# Altium PCB DCDCv1.1.PcbDoc (part 3 of 5) (continued)
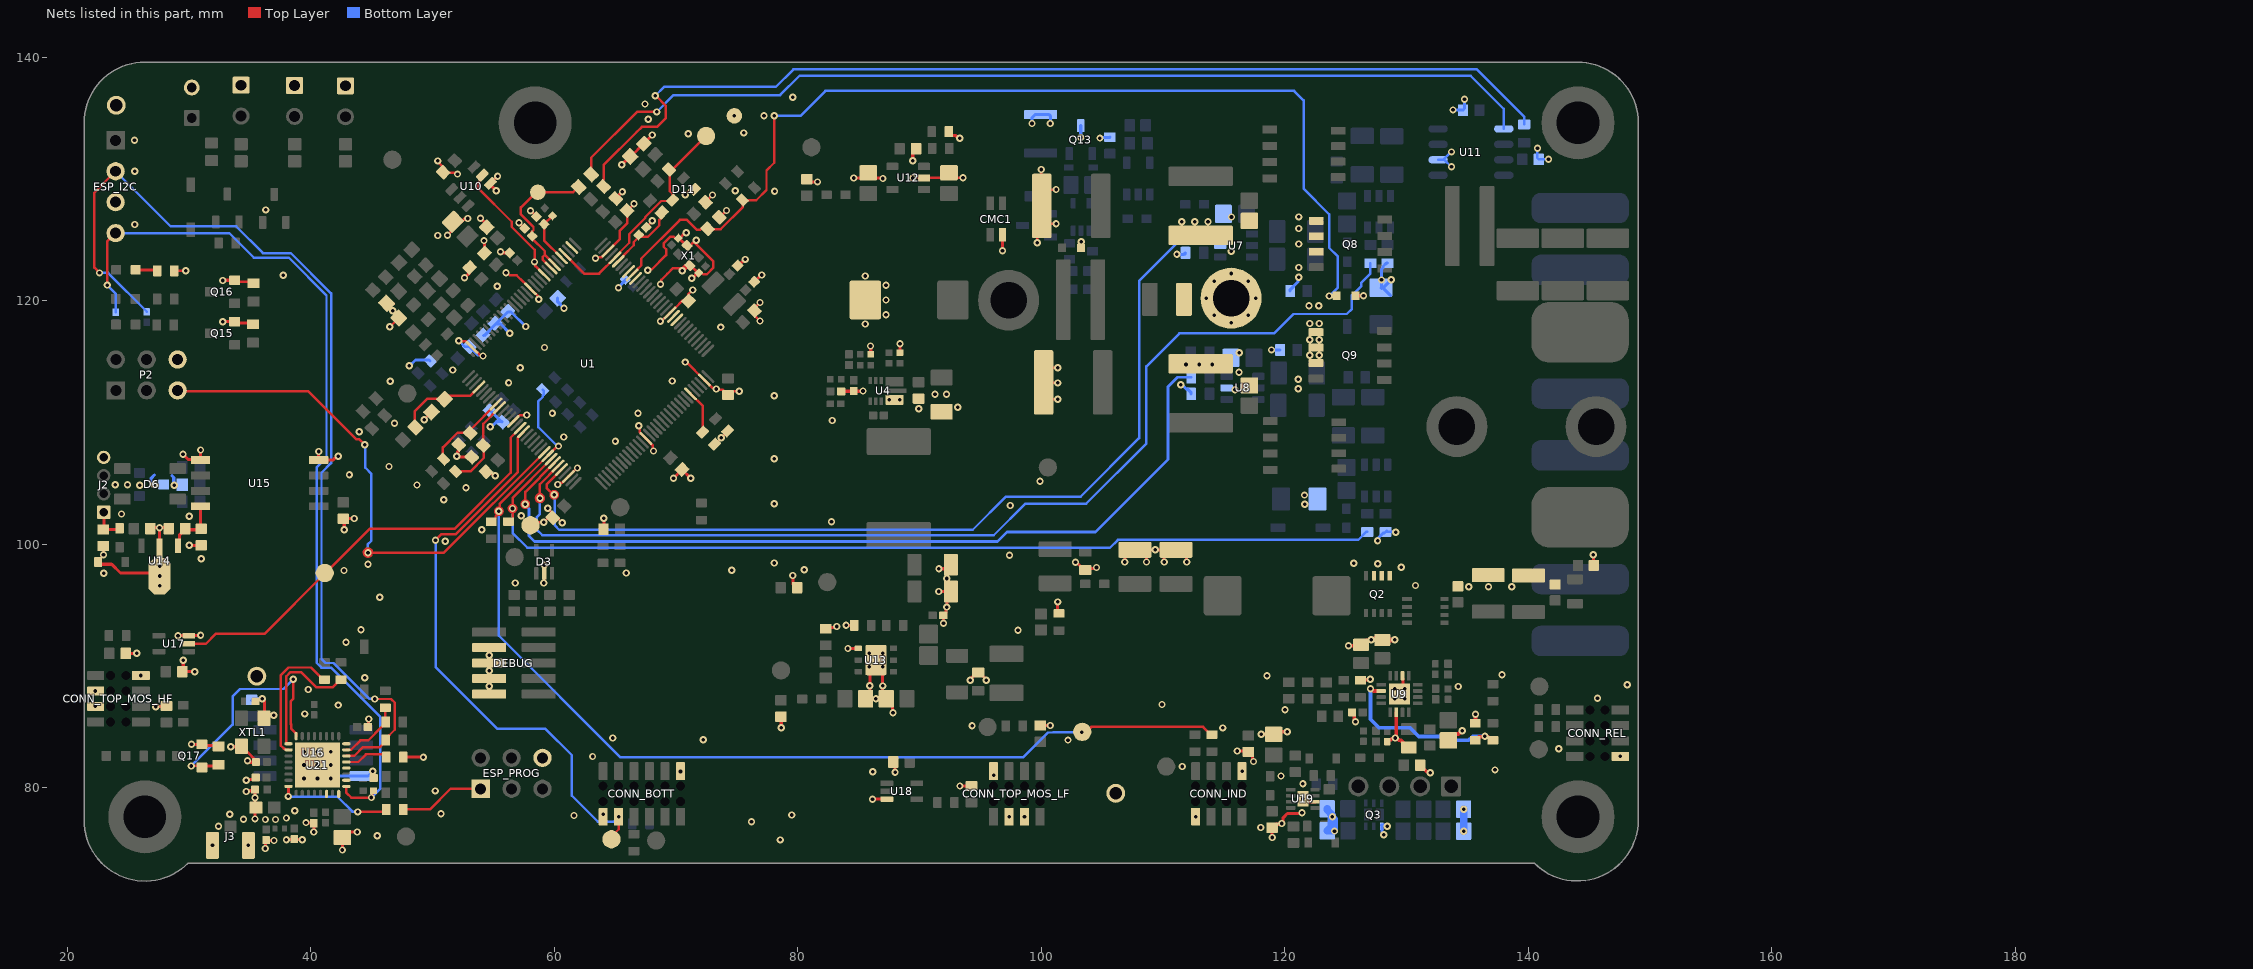
[diagram p5: the nets of this part, all layers, seen from the top]
## Part data (continued)
U17 U18: library part CMP-0859-00394-3, "Single 2-Input Positive-AND Gate, DCK0005A, SMALL T&R", F @ Nom Voltage(Max)(Mhz)=75, Generic Part Number=SN74AHC1G08, ICC @ Nom Voltage(Max)(mA)=0.01, Manufacturer="Texas Instruments", Operating Temperature Range(C)="-55 to 125", Rating=Catalog, tpd @ Nom Voltage(Max)(ns)=12.3,7.9, Voltage(Nom)(V)=3.3,5, 3-State Output=No, Bits(#)=1, DatasheetVersion=SCLS314N, Gate Type=AND, Input Type=CMOS, Logic=True, Output Drive (IOL/IOH)(Max)(mA)=50/-50, Output Type=CMOS, PackageReference=DCK0005A, Schmitt Trigger=No, Sub-Family="AND Gate", Technology Family=AHC, VCC(Max)(V)=5.5, VCC(Min)(V)=2
U19: "Integrated Circuit", Manufacturer_Name="ON Semiconductor", Mouser Part Number=863-NCP5901BMNTBG, Arrow Part Number=NCP5901BMNTBG, Arrow Price/Stock=https://www.arrow.com/en/products/ncp5901bmntbg/on-semiconductor, Datasheet Link=http://www.onsemi.com/pub/Collateral/NCP5901B-D.PDF, Height=1mm, Manufacturer_Part_Number=NCP5901BMNTBG, Mouser Price/Stock=https://www.mouser.co.uk/ProductDetail/ON-Semiconductor/NCP5901BMNTBG?qs=UikTwjRNStJje%252BaGWM%2F5BQ%3D%3D
U21: library part CMP-2000-07453-1, "Low-Power, Highly-Integrated Wi-Fi Solution, 2.5 to 3.6 V, 80 mA, -40 to 125 degC, 32-Pin QFN", Manufacturer="Espressif Systems", Package Description="32-Pin Quad Falt No-Lead, Body 5 x 5 mm, Pitch 0.5 mm", Package Reference=QFN-32, Datasheet URL=http://espressif.com/sites/default/files/documentation/0a-esp8266ex_datasheet_en.pdf, Datasheet Version="Rev. 5.4, 04/2017", Manufacturer URL=http://espressif.com, Mounting Technology=SurfaceMount
X1: library part CMP-2000-05728-1, "Ceramics Ultra Miniature Quartz Crystal, 24 MHz, +/- 20 ppm, -40 to 85 degC, 4-Pin SMD, RoHS, Tape and Reel", Case Height=0.59mm, Case Length=2mm, Case Width=1.6mm, Frequency=20MHz, Frequency Stability=20PPM, Load Capacitance=10pF, Manufacturer=ABRACON, Operating Temperature Range=-40Cto+85C, Package / Case=2mmx1.6mmx0.59mm, Package Description="4-Pin Surface Mount Device, Body 2 x 1.6 mm, Pitch 1.3 mm", Package Reference=ABM11, Brand=ABRACON, Datasheet URL=http://www.abracon.com/Resonators/ABM11.pdf, Datasheet Version=06/2015, Dimensions=1.6mmWx2mmLx0.59mmH, ESR=120Ohms, Factory Pack Quantity=3000, Manufacturer URL=http://www.abracon.com/, Mounting Style=SMD/SMT, Mounting Technology=SurfaceMount, Packaging=Reel, Product Category=Crystals, RoHS=Details, Series=ABM11, Termination Style=SMD/SMT, Tolerance=20PPM, Type=UltraMiniatureQuartzCrystal
XTL1: library part CMP-0614-00001-1, "Crystal Unit, 8 pF, 25000 kHz, -10 to 70 degC, 4-Pin 3.2 x 2.5 x 0.8 mm SMD, RoHS, Tape and Reel", Frequency="25000 kHz", Frequency Tolerance="+/- 20 x 10^(-6)", Load Capacitance="8 pF", Manufacturer=Kyocera, Operationg Temperature="-10 to 70 degC", PartNumber=CX3225GB25000D0HEQCC, ComponentLink1Description="Manufacturer URL", ComponentLink1URL=http://global.kyocera.com/, ComponentLink2Description=Datasheet, ComponentLink2URL=http://global.kyocera.com/prdct/electro/pdf/xtal/cx3225gb_cs_e.pdf, ComponentLink3Description="Package Specification", ComponentLink3URL=http://global.kyocera.com/prdct/electro/pdf/xtal/cx3225gb_cs_e.pdf, DatasheetVersion=Sep-13, Mounting Technology="Surface Mount", PackageDescription="4-Pin SMT, Body 3.2 x 2.5 mm, Height 0.9 mm", PackageReference=CX3225GB-4, PackageVersion=Sep-13, Packing="Tape and Reel", RoHS=TRUE, Series=CX3225GB
Y1: library part CMP-2000-07587-1, "Tuning Fork Crystal, 32.768 KHz, +/- 20 ppm, -40 to 85 degC, 2-Pin SMD, RoHS, Tape and Reel", Case\/Package=SMD/SMT, ESR (Equivalent Series Resistance)=55KOhm, Frequency=32.768KHz, Frequency Tolerance=20ppm, JLCPCB Part #=C32346, Load Capacitance=6pF, Manufacturer=Abracon, Max Operating Temperature=85degC, Min Operating Temperature=-40degC, Package Description="2-Pin Surface Mount Device, Body 3.2 x 1.5 mm", Package Quantity=3000, Package Reference=ABS07, Series Resistance=60KOhm, Datasheet URL=http://www.abracon.com/Resonators/ABS07-120-32.768kHz-T.pdf, Datasheet Version=11/2014, Depth=1.5mm, Height=0.035inch, Lead Free=LeadFree, Length=3.2mm, Manufacturer URL=http://www.abracon.com/, Mount=SurfaceMount, Mounting Technology=SurfaceMount, Number of Pins=2, Packaging=TapeandReel, Radiation Hardening=No, REACH SVHC=NoSVHC, RoHSCompliant=True, Termination=SMD/SMT, Tolerance=20ppm, Width=0.061inch
PV+: LatestRevisionDate=17-Jul-2002, LatestRevisionNote="Re-released for DXP Platform.", Publisher="Altium Limited", System=Connector
PV-: LatestRevisionDate=17-Jul-2002, LatestRevisionNote="Re-released for DXP Platform.", Publisher="Altium Limited"

## Free pads (board coordinates)
  round 6 hole 3.5: H2(58.425,134.625) H5(144.1,77.625) H5(144.1,134.625) H6(26.375,77.625)

## Via types
v1: diameter 0.6, hole 0.3, Top Layer to Bottom Layer, tented both sides, 563 vias
v2: diameter 0.6/0.6/0.6/0.6 (per signal layer), hole 0.3, Top Layer to Bottom Layer, tented both sides, 44 vias
v3: diameter 0.6, hole 0.3, Top Layer to Bottom Layer, 19 vias

## Nets (pads, with @x,y where several pads share a name; then routed paths per layer and width w, separated by ;. In a path a pad name is that pad's centre, name@x,y a point inside that pad or via, vN(x,y) a via of type N, cw(c..) or ccw(c..) an arc to the next point about the centre after c; other vN are vias at no path point)
ADC1_IN1: C67.2 R44.2 U1.27 | length 5.9
  Top Layer w0.2: U1.27@65.263,123.259 65.683,123.679 65.683,123.726 65.692,123.735 66.533,124.577 66.533,124.833 66.975,125.275 67.703,125.275 68.641,126.213 68.641,126.662 68.829,126.849 R44.2@68.829,127.273
ADC1_IN5: C68.2 R2.2 U1.68 | length 7.6
  Top Layer w0.2: R2.2@48.602,109.627 48.549,109.68 48.549,110.949 49.575,111.975 50.335,111.975 50.507,111.802 C68.2@50.852,111.802
  Top Layer w0.203: C68.2@50.852,111.802 50.921,111.802 51.318,112.2 53.072,112.2 U1.68@53.808,112.936
ADC1_IN8: U1.24
ADC2_IN5: C113.2 R81.2 U1.37 | length 4.3
  Top Layer w0.2: R81.2@59.854,126.989 59.171,126.307 C113.2@59.157,126.307 59.171,126.293 59.171,124.967 U1.37@60.596,123.542
ADC2_IN6: U1.22
ADC3_IN9: C127.2 R108.2 U1.74 | length 7.7
  Top Layer w0.2: C127.2@54.177,108.127 54.142,108.163 54.142,108.622 54.177,108.658 54.177,109.911 U1.74@55.505,111.239
  Top Layer w0.203: R108.2@51.895,106.079 R108.2@51.895,105.995 51.966,105.924 52.317,105.924 52.388,105.995 53.112,105.995 54.213,107.096 54.213,108.092 C127.2@54.177,108.127
BOOT0_STM32: R3.2 U1.123 | length 3.6
  Top Layer w0.2: U1.123@71.203,112.37 72.215,111.357 72.215,109.326 R3.2@72.145,109.255
COMP1_INP: C112.2 R80.2 TP12.1 U1.39 U1.40 | length 12.3
  Top Layer w0.203: TP12.1@58.21,128.633 57.255,127.679 57.255,127.113 58.296,126.072 58.296,125.801 58.171,125.676 58.171,125.349 C112.2@58.185,125.335 58.185,125.123 59.226,124.081 59.226,123.781 ; TP12.1@58.65,128.925 61.544,128.925 61.978,129.358 R80.2@62.01,129.358 ; U1.40@59.748,122.694 59.041,123.401 59.041,123.595 59.226,123.781 ; U1.39@60.03,122.977 59.226,123.781
COMP2_INP: D11.3 R43.1 TP17.1 U1.28 U1.36 | length 19.3
  Top Layer w0.178: U1.28@64.98,123.542 65.404,123.966 65.404,124.013 65.42,124.029 66.167,124.776 66.167,125.495 67.482,126.81 67.482,126.894 68.797,128.209 69.647,128.209 D11.3@69.718,128.28
  Top Layer w0.2: U1.36@60.879,123.825 62.459,122.245 63.683,122.245 U1.28@64.98,123.542 ; D11.3@69.789,128.351 69.789,128.704 69.488,129.005 69.488,130.737 R43.1@69.435,130.79 69.715,130.79 TP17.1@72.475,133.55
COMP3_INP: C84.2 NTC1.2 R145.1 U1.23 | length 84.4
  Top Layer w0.203: U1.23@66.394,122.128 66.813,122.547 66.813,122.575 67.15,122.912 67.15,123.478 70.322,126.65 70.9,126.65 71.698,125.852 71.999,125.852 72.105,125.958 72.492,125.958 72.562,125.887 73.665,125.887 75.49,127.713 75.49,128.26 75.5,128.27 76.593,128.27 77.436,129.113 77.436,130.711 78.075,131.35 v1(78.075,135.2)
  Top Layer w0.254: v1(123.675,120.4) 123.687,120.412 124.262,120.412 NTC1.2@124.275,120.425
  Bottom Layer w0.203: v1(78.075,135.2) 80.225,135.2 82.275,137.25 120.775,137.25 121.55,136.475 121.55,129.225 123.664,127.111 123.664,124.361 124.35,123.675 124.35,121.075 v1(123.675,120.4)
COMP6_PD11: C126.2 R107.2 U1.73 | length 7
  Top Layer w0.203: R107.2@50.92,106.995 50.849,107.066 50.849,107.966 52.071,109.188 53.067,109.188 C126.2@53.102,109.152 53.102,109.402 U1.73@55.222,111.521
DAC1_OUT1: R39.2 R63.1 | length 85.3
  Top Layer w0.203: R39.2@64.055,129.405 63.985,129.476 63.985,129.898 64.055,129.969 64.055,131.156 66.78,133.88 67.2,134.3 68.45,134.3 69.15,135 69.15,136.05 68.35,136.85 v1(68.3,136.85)
  Bottom Layer w0.203: v1(68.3,136.85) 69.025,137.575 78.2,137.575 79.65,139.025 135.8,139.025 139.675,135.15 R63.1@139.675,134.5
DAC1_OUT2: U1.34
EN: R19.1 R20.2 U9.10 | length 15.4
  Top Layer w0.3: v1(127.056,88.129) 127.137,88.129 127.307,87.959 U9.10@127.931,87.959 ; R20.2@135.656,83.909 135.939,84.193 136.393,84.193 v1(136.45,84.25) 136.507,84.193 136.722,84.193 137.006,83.909 R19.1@137.106,83.909
  Bottom Layer w0.3: v1(127.056,88.129) 127.056,85.634 127.765,84.925 130.325,84.925 131.025,84.225 133.725,84.225 134.036,83.914 135.108,83.914 135.444,84.25 v1(136.45,84.25)
ESP_ADC: U21.6
ESP_GPIO0: R61.1 R124.1 U21.15 | length 5.3
  Top Layer w0.203: U21.15@42.925,83.125 42.934,83.134 43.309,83.134 44.075,83.9 44.725,83.9 45.827,85.002 46.125,85.3 46.125,86.35 R124.1@46.25,86.475
ESP_GPIO2: ESP_I2C.2 R88.2 R123.1 U21.14 | length 81.4
  Top Layer w0.203: v1(22.65,122.3) 22.65,122.305 22.225,122.73 22.225,128.9 ESP_I2C.2@23.975,130.65 ; U21.14@42.925,82.625 43.575,82.625 44.3,83.35 45.675,83.35 46.15,83.825 46.15,84.025 46.9,84.775 46.9,87 46.6,87.3 v1(45.25,87.3)
  Bottom Layer w0.203: v1(22.65,122.3) 23.35,122.3 26.525,119.125 R88.2@26.525,119.1 ; ESP_I2C.2@23.975,130.65 28.5,126.125 33.875,126.125 36.069,123.931 38.358,123.931 41.674,120.614 41.674,120.176 ; 41.674,116.289 41.674,106.674 40.881,105.881 40.881,90.575 41.2,90.256 41.869,90.256 44.813,87.312 45.238,87.312 v1(45.25,87.3) ; 41.675,116.289 41.675,120.175
ESP_GPIO4: U21.16
ESP_GPIO5: Q17.1 R115.2 U21.24 | length 21.3
  Top Layer w0.203: v1(30.175,81.8) 31.163,81.8 31.175,81.788 32.288,81.788 32.3,81.8 R115.2@32.313,81.788 ; v1(38.573,88.927) 38.573,87.337 38.373,87.136 38.373,85.234 38.385,85.221 38.385,84.885 38.8,84.47 U21.24@38.8,84.25
  Top Layer w0.254: Q17.1@31.05,81.675 31.163,81.788 32.313,81.788 R115.2@32.425,81.9
  Bottom Layer w0.203: v1(30.175,81.8) 33.575,85.2 33.575,87.5 34.196,88.121 37.766,88.121 v1(38.573,88.927)
ESP_GPIO12: U21.10
ESP_GPIO13: U21.12
ESP_GPIO14: ESP_I2C.4 R82.1 R105.2 U21.9 | length 74.4
  Top Layer w0.203: v1(23.275,121.3) 23.275,124.87 ESP_I2C.4@23.975,125.57 ; U21.9@42.925,80.125 42.925,79.594 43.324,79.195 44.973,79.195 v1(44.982,79.204) 45.058,79.28 45.058,79.683 R82.1@45.15,79.775
  Bottom Layer w0.203: v1(23.275,121.3) 23.975,120.6 R105.2@23.975,119.075 ; ESP_I2C.4@23.975,125.57 33.305,125.57 35.325,123.55 38.2,123.55 41.293,120.457 41.293,107.118 40.475,106.3 40.475,90.275 40.875,89.875 41.675,89.875 45.7,85.85 45.7,79.922 v1(44.982,79.204)
ESP_GPIO15: R122.2 U21.13 | length 3.6
  Top Layer w0.203: U21.13@42.925,82.125 43.9,82.125 44.525,82.75 45.975,82.75 R122.2@46.2,82.525
ESP_GPIO16: U21.8 | length 0
  Top Layer w0.203: U21.8@42.3,79.5 U21.8@42.309,79.491
ESP_RST: R121.1 U21.32 | length 9.4
  Top Layer w0.203: v1(43.85,78.025) 45.95,78.025 R121.1@46.15,78.225
  Top Layer w0.254: v1(38.162,79.297) 38.169,79.303 38.169,80.123 38.171,80.125 U21.32@38.175,80.125
  Bottom Layer w0.203: v1(38.162,79.297) 38.204,79.255 42.22,79.255 43.426,78.049 43.826,78.049 v1(43.85,78.025)
ESP_RST_PROG: ESP_PROG.1 R121.2 | length 7
  Top Layer w0.203: R121.2@47.65,78.225 49.78,78.225 51.48,79.925 ESP_PROG.1@53.96,79.925
ESP_RXD: R120.1 U21.25 | length 11.1
  Top Layer w0.203: U21.25@38.175,83.625 38.013,83.625 37.992,83.647 37.992,89.165 38.333,89.507 39.206,89.507 40.463,88.25 41.8,88.25 42.4,88.85 R120.1@42.5,88.85
ESP_TXD: R119.1 U21.26 | length 10.8
  Top Layer w0.203: U21.26@38.175,83.125 37.942,83.125 37.847,83.221 37.787,83.221 37.551,83.457 37.551,89.263 38.175,89.888 40.024,89.888 40.763,89.148 40.777,89.148 40.9,89.025 R119.1@40.9,88.8
GND: C1.1 C2.1 C3.1 C5.1 C8.1 C9.1 C10.1 C10a.1 C11.1 C12.2 C13.2 C15.1 C16.1 C17.1 C19.1 C20.1 C23.1 C24.1 C25.1 C28.1 C30.1 C31.1 C32.1 C33.1 C35.2 C36.1 C37.1 C38.1 C39.1 C40.1 C42.1 C44.1 C45.1 C47.1 C48.1 C49.1 C50.1 C51.1 C52.1 C53.1 C54.1 C55.1 C56.1 C58.1 C59.1 C60.1 C61.1 C62.1 C63.1 C65.1 C66.1 C67.1 C68.1 C69.1 C70.1 C71.1 C72.1 C73.1 C74.1 C75.2 C77.1 C80.1 C81.1 C82.1 C83.1 C84.1 C85.1 C86.2 C87.1 C88.2 C89.1 C92.1 C93.1 C94.1 C95.1 C96.2 C98.1 C102.1 C103.1 C104.1 C105.1 C107.1 C108.1 C109.1 C110.1 C111.1 C112.1 C113.1 C114.1 C115.1 C116.1 C117.1 C118.2 C119.2 C120.1 C121.1 C122.1 C123.1 C125.1 C126.1 C127.1 C128.1 C129.1 C130.1 CMC1.4 CONN_BOTT.2 CONN_BOTT.11 CONN_IND.2 CONN_IND.7 CONN_REL.2 CONN_TOP_MOS_HF.3 CONN_TOP_MOS_HF.5 CONN_TOP_MOS_HF.8 CONN_TOP_MOS_LF.3 CONN_TOP_MOS_LF.5 CONN_TOP_MOS_LF.8 D0.1 D3.2 D11.1 DEBUG.3 DEBUG.5 DEBUG.7 DEBUG.9 ESP_I2C.3 ESP_PROG.6 J3.2 J3.3 NTC1.1 NTC2.1 NTC3.1 NTC4.1 NTC5.1 P2.6 PV-.1 Q2.1 Q2.2 Q2.3 Q3.4 Q8.1 Q8.2 Q8.3 Q9.1 Q9.2 Q9.3 Q13.3 Q15.2 Q16.2 Q17.2 R3.1 R9.1 R15.1 R16.1 R17.1 R18.1 R20.1 R22.1 R24.1 R30.1 R31.1 R54.1 R56.1 R65.1 R67.1 R68.1 R72.1 R74.1 R77.1 R79.1 R90.1 R92.1 R103.1 R104.1 R115.1 R122.1 R132.1 R155.1 R156.1 R157.2 TP11.1 TP13.1 TP24.1 TP25.1 TP26.1 U1.12 U1.30 U1.42 U1.46 U1.63 U1.78 U1.94 U1.110 U1.127 U4.8 U7.2 U8.2 U9.6 U9.14 U9.17 U10.1 U10.2 U11.2 U12.2 U13.1 U13.7 U15.4 U16.4 U17.3 U18.3 U19.6 U19.9 U21.33 X1.2 X1.4 XTL1.2 XTL1.4 | length 284.3
  Top Layer w0.2: DEBUG.7@54.655,88.98 DEBUG.7@55.68,88.98 ; DEBUG.5@54.655,90.25 DEBUG.5@55.68,90.25 ; v1(67.672,122.528) 67.749,122.605 68.031,122.605 69.193,123.766 69.193,124.243 68.984,124.452 68.984,124.716 69.523,125.255 69.818,125.255 69.938,125.136 70.178,125.136 C63.1@70.192,125.15 ; v1(68.73,121.381) 68.806,121.458 68.806,121.739 69.281,122.214 69.281,122.215 69.756,122.69 70.526,122.69 70.783,122.947 71.101,122.947 X1.4@71.136,122.912 ; 71.363,124.757 71.558,124.757 73.077,123.238 73.077,122.734 72.537,122.195 72.242,122.195 72.123,122.314 71.812,122.314 C59.1@71.803,122.305
  Top Layer w0.203: R157.2@28.825,122.475 v1(29.725,122.475) ; Q16.2@33.748,121.698 33.872,121.574 35.176,121.574 R156.1@35.3,121.45 ; v1@46.5,117.875 v1(46.5,117.877) C35.2@47.224,118.601 47.224,118.706 46.23,119.7 R56.1@46.23,119.805 46.265,119.77 R56.1@46.829,119.77 ; v1(49.323,110.248) C68.1@50.124,111.049 ; v1(50.425,131.5) 50.425,131.444 50.873,130.996 C66.1@50.873,130.573 50.908,130.537 51.832,130.537 51.95,130.419 v1(52.058,130.419) ; v1(51.235,125.385) 51.235,125.42 51.674,125.858 C85.1@51.674,126.501 ; v1(52.164,116.739) 52.216,116.688 52.736,116.688 53.235,116.188 U1.63@53.242,116.188 53.249,116.188 53.887,115.551 54.074,115.551 v1(54.15,115.475) ; U10.2@54.091,130.331 54.091,130.05 53.737,129.696 53.737,129.278 56.513,126.503 56.513,126.079 58.4,124.191 58.4,123.225 v1(58.379,123.203) ; v1(56.035,122.305) 56.143,122.305 56.341,122.106 56.914,122.106 57.476,121.545 57.496,121.545 58.044,120.997 U1.46@58.051,120.997 58.051,120.99 58.652,120.388 58.652,120.224 v1(58.728,120.148) ; U1.78@56.636,110.107 56.643,110.107 57.163,110.627 v1(57.746,110.627) ; TP11.1@58.05,101.8 58.063,101.813 59.117,101.813 v1(59.129,101.825) 59.527,102.223 C47.1@59.823,102.223 ; v1(58.051,127.414) C113.1@58.535,126.929 ; v1@58.4,123.25 58.455,123.195 58.455,122.855 U1.42@59.182,122.128 ; v1(59.15,96.825) 59.163,96.837 59.163,97.612 D3.2@59.175,97.625 ; v1(59.475,102.975) 59.475,102.969 59.823,102.621 C47.1@59.823,102.223 ; v1(60.276,104.916) 60.384,104.916 60.518,105.05 60.623,105.05 61.155,105.582 61.169,105.582 61.865,106.278 v1(61.904,106.278) ; v1(60.647,101.78) 60.204,102.223 C47.1@59.823,102.223 ; v1(63.396,123.51) 63.472,123.586 63.886,123.586 64.408,124.108 U1.30@64.415,124.108 65.4,125.093 65.4,125.783 66.013,126.396 66.013,127.392 C107.1@65.977,127.427 ; C107.1@66.017,127.557 66.132,127.557 v1(66.55,127.975) ; v1(66.952,109.744) 67.026,109.669 67.026,109.2 67.526,108.7 67.526,108.686 68.074,108.138 68.074,107.751 v1(68.15,107.675) ; C67.1@67.561,126.036 67.561,126.071 v1(68.063,126.574) ; v1(68.721,118.326) 68.808,118.326 69.499,119.017 U1.12@69.506,119.017 69.925,119.436 69.947,119.436 70.509,119.998 C45.1@71.027,119.998 71.027,120.552 v1(71.375,120.9) ; v1(70.75,114.975) 70.854,114.975 72.327,113.501 U1.127@72.334,113.501 72.989,112.847 73.243,112.847 v1(73.319,112.771) ; v1(70.761,128.722) 71.203,129.164 D11.1@71.521,129.164 ; C80.1@72.48,128.155 72.48,128.18 v1(73,128.7) ; R3.1@73.205,108.195 R3.1@73.205,108.243 ; v1@73.275,112.8 73.377,112.698 73.852,112.698 C32.1@74.275,112.275 74.575,112.575 v1(75.196,112.575) ; C84.1@73.605,126.93 73.655,126.93 v1(74.15,127.425) ; R77.1@74.245,109.33 74.245,109.282 v1(73.725,108.762) ; v1(76.9,118.35) 76.452,118.798 76.452,119.427 v1(76.9,119.875) ; v1(89.45,130.1) U12.2@90.375,130.1 92,130.1 C44.1@92.425,130.525 92.825,130.125 v1(93.575,130.125) ; v2(99.675,124.775) 99.675,127.425 C10a.1@100.05,127.8 ; v2(100,130.797) 100,127.85 C10a.1@100.05,127.8 ; v2(101.225,126.35) 100.747,126.35 100.05,127.047 C10a.1@100.05,127.8 ; v2(101.225,129.15) 100.747,129.15 100.05,128.453 C10a.1@100.05,127.8 ; v2(101.359,111.914) 100.897,111.914 100.2,112.611 C25.1@100.2,113.3 ; v2(101.359,113.264) 100.236,113.264 C25.1@100.2,113.3 ; v2(101.359,114.514) 100.897,114.514 100.2,113.817 C25.1@100.2,113.3 ; R3.1@73.205,108.243 v1(73.725,108.762) ; R3.1@73.205,108.243 v1(73.725,108.762)
  Top Layer w0.254: C53.1@24.8,91.05 v1(25.7,91.05) v1@25.725,91.025 ; v1(27.275,86.675) 27.3,86.7 28.125,86.7 C93.1@28.15,86.725 ; v1(29.1,92.5) U17.3@29.975,92.5 29.988,92.512 30.937,92.512 v1(30.95,92.525) ; v1(29.525,90.475) 29.525,89.55 v1(30.475,89.55) ; v1(30.2,83.575) Q17.2@31.05,83.575 31.137,83.488 32.337,83.488 R115.1@32.425,83.4 ; v1@32.75,118.275 v1(32.773,118.298) Q15.2@33.748,118.298 33.861,118.185 33.862,118.186 35.139,118.186 R155.1@35.25,118.075 ; v1(32.775,121.675) 32.798,121.698 Q16.2@33.748,121.698 ; v1(33.425,83.375) 34.25,83.375 XTL1.4@34.3,83.425 ; XTL1.4@34.35,83.375 34.823,82.902 34.839,82.902 35.405,82.336 35.405,82.23 C118.2@35.51,82.125 35.49,82.105 34.99,82.105 34.866,82.229 v1(34.802,82.229) ; v1(34.7,79.7) 34.766,79.766 35.341,79.766 R103.1@35.425,79.85 ; v1(34.7,80.625) 34.766,80.691 35.326,80.691 C121.1@35.485,80.85 ; R103.1@35.383,79.808 35.425,79.766 v1(35.425,79.2) 35.425,78.45 C120.1@35.5,78.375 35.425,78.3 v1(35.425,77.45) ; C119.2@35.465,87.1 35.624,87.259 35.959,87.259 v1(36.025,87.325) 36.025,87.299 36.197,87.128 XTL1.2@36.197,85.728 ; XTL1.2@36.15,85.725 36.4,85.975 v1(36.95,85.975) ; v1(36.25,75.025) 36.288,75.062 36.288,75.673 C116.1@36.325,75.71 36.342,75.693 36.958,75.693 v1(36.975,75.675) ; v1@37.075,77.422 v1(37.1,77.397) ; v1(38,75.75) v1(39.3,75.75) ; v1(39.603,77.147) 39.634,77.116 40.219,77.116 C117.1@40.25,77.085 v1(40.25,76.375) ; v1(40.65,107.625) 40.65,106.947 U15.4@40.643,106.939 41.85,106.939 42.16,107.25 v1(42.254,107.25) ; v1(42.6,74.9) C92.1@42.6,75.925 43.05,76.375 v1(43.825,76.375) ; v1(42.75,101.2) 42.75,102.025 C87.1@42.675,102.1 42.7,102.125 v1(43.575,102.125) ; C122.1@44.69,85 44.733,85.042 44.733,85.615 v1(44.775,85.658) ; C123.1@45.15,80.94 C123.1@45.165,80.925 ; R122.1@47.6,82.525 v1(49.254,82.525) ; C85.1@51.674,126.501 52.378,126.501 52.586,126.709 52.834,126.709 v1(52.9,126.775) ; C126.1@52.148,108.198 52.183,108.162 52.183,107.741 52.071,107.628 52.071,107.25 52.148,107.173 52.731,107.173 52.766,107.208 53.187,107.208 C127.1@53.223,107.173 ; v1(52.625,121.9) 53.048,122.323 C109.1@53.048,122.747 ; v1(53.947,126.797) 54.409,126.335 C65.1@54.409,126.088 ; v1(54.232,124.957) 54.268,124.921 C108.1@54.268,123.931 ; C104.1@54.398,105.973 54.709,105.973 55.055,105.626 v1(55.149,105.626) ; v1(54.65,89.625) 54.65,90.245 DEBUG.5@54.655,90.25 ; DEBUG.9@54.655,87.71 DEBUG.7@54.655,88.98 DEBUG.5@54.655,90.25 ; DEBUG.3@54.9,91.275 DEBUG.3@54.655,91.52 DEBUG.5@54.655,90.25 ; v1(55.24,129.04) 54.78,129.5 54.78,129.676 v1(55.346,130.242) ; v1(55.581,124.04) 55.675,124.04 55.759,123.956 56.329,123.956 C62.1@56.343,123.942 ; v1@57.1,126.45 v1(57.1,126.42) C112.1@57.563,125.957 ; C95.1@64.05,101.25 64.075,101.275 v1@64.075,102.275 ; R68.1@65.498,128.362 65.471,128.376 R68.1@65.055,128.405 65.055,128.43 v1(65.6,128.975) ; v1(65.542,131.175) C28.1@66.235,131.868 66.306,131.868 R30.1@67.367,132.929 67.367,132.942 v1(68.05,133.625) ; v1(69.798,105.445) 70.5,106.148 C48.1@70.5,106.15 v1(71.225,105.425) ; C63.1@70.192,125.15 70.206,125.164 70.206,125.171 C63.1@70.231,125.171 ; v1(70.525,122.475) 70.612,122.475 71.049,122.912 X1.4@71.136,122.912 71.196,122.912 C59.1@71.803,122.305 ; v1(70.85,125.6) 70.756,125.6 70.328,125.171 C63.1@70.231,125.171 ; X1.2@70.899,124.563 70.839,124.563 C63.1@70.231,125.171 ; X1.2@70.924,124.538 71.145,124.538 71.363,124.757 71.581,124.975 v1(71.675,124.975) ; v1(71.291,121.863) 71.361,121.863 71.798,122.3 71.808,122.3 C59.1@71.868,122.3 ; C77.1@75.071,122.896 75.128,122.896 75.641,123.41 v1(75.698,123.41) ; C74.1@76.421,121.571 76.454,121.571 77.009,122.126 v1(77.042,122.126) ; C73.1@78.625,85.85 78.65,85.825 v1(78.65,84.95) ; v1(79.6,97.45) 79.6,96.75 C105.1@79.9,96.45 ; C69.1@80.75,130 80.975,129.775 v1(81.625,129.775) ; R74.1@82.3,93.075 82.409,93.184 83.134,93.184 v1(83.2,93.25) ; C17.1@83.574,112.569 83.587,112.582 85.347,112.582 v1(85.359,112.594) ; v1(83.975,93.35) R67.1@84.65,93.35 ; v1(84.125,91.45) U13.1@84.975,91.45 ; v1(84.6,130.1) 84.61,130.11 85.385,130.11 C50.1@85.8,130.525 86.24,130.085 86.965,130.085 v1(87,130.05) ; v1@85.997,116.282 85.997,115.632 R18.1@86.009,115.619 ; v1(86.15,79.075) U18.3@87.325,79.075 ; U13.7@86.425,90.5 85.925,90 85.925,87.675 C72.1@85.575,87.325 v1(86.425,87.325) C71.1@87.275,87.325 ; v3(86.975,89.95) 86.975,87.625 C71.1@87.275,87.325 ; C52.1@87.775,82.125 88,81.9 v1(88,81.275) ; v1(87.825,86.175) 87.773,86.227 87.773,86.578 87.773,86.827 C71.1@87.275,87.325 ; R15.1@88.4,115.75 v1(88.4,116.475) ; v1(89.45,131.525) 89.45,132.225 C70.1@89.725,132.5 ; v1(91.575,96.125) C8.1@92.6,96.125 ; v1(91.6,97.996) C15.1@92.296,97.996 ; v1(91.975,93.525) 91.97,93.53 91.97,94.17 C129.1@91.965,94.175 91.985,94.175 92.178,94.368 92.178,94.684 92.25,94.756 92.25,95.775 C8.1@92.6,96.125 ; C15.1@92.25,97.95 92.25,96.475 C8.1@92.6,96.125 ; R72.1@92.425,133.9 92.425,133.8 92.648,133.577 92.979,133.577 93.206,133.35 v1(93.3,133.35) ; v1(93.325,80.15) C54.1@94.275,80.15 ; v1(94.175,88.85) 94.175,88.925 94.725,89.475 R54.1@94.825,89.475 94.925,89.475 95.5,88.9 v1(95.5,88.85) ; v2(96.825,124.125) CMC1.4@96.825,125.425 ; C94.1@99.925,85.125 v1@100.775,85.125 ; v1(101.35,95.275) 101.35,94.425 R79.1@101.45,94.325 ; v1@102.75,98.525 102.9,98.525 103.525,97.9 R104.1@103.625,97.9 103.759,98.034 104.484,98.034 v1(104.55,98.1) ; NTC2.1@103.275,124.35 103.286,124.361 103.286,124.861 v2(103.297,124.872) ; v1(106.875,98.55) 106.875,99.027 107.398,99.55 C55.1@107.7,99.55 C55.1@108.127,99.55 ; v1(108.65,98.55) 108.65,99.027 C55.1@108.127,99.55 ; v1(110.1,98.55) 110.1,99.027 C56.1@110.623,99.55 ; v1(111.95,98.55) 111.95,99.027 111.427,99.55 C56.1@111.075,99.55 C56.1@110.623,99.55 ; v1(116.1,83.025) 117,83.025 C98.1@117.025,83 ; v1@117.373,82.227 C98.1@117.373,82.652 ; v1(118.081,84.403) 118.903,84.403 119.112,84.613 120.213,84.613 v1(120.225,84.6) ; v1(118.975,75.925) C102.1@118.975,76.775 ; C102.1@119.05,76.775 119.284,77.009 119.684,77.009 v1(119.75,77.075) 119.75,77.169 119.88,77.299 119.88,77.553 120.222,77.895 121.37,77.895 v1(121.425,77.95) ; v1(121.5,79.1) U19.9@121.75,78.85 ; v1(125.243,91.672) 126.218,91.672 126.679,92.132 126.976,92.132 126.978,92.134 127.981,92.134 127.754,92.361 127.433,92.361 127.297,92.225 127.172,92.225 v1(127.106,92.159) ; R9.1@126.231,88.834 126.278,88.882 126.975,88.882 v1(127.022,88.929) ; U9.6@129.706,88.959 129.706,88.284 v1(129.856,88.134) ; C42.1@131.125,81.875 131.684,81.316 131.884,81.316 v1(131.95,81.25) ; v1(145.35,99.15) 145.375,99.125 145.375,98.3 C128.1@145.4,98.275 ; C55.1@108.127,99.55 C56.1@110.623,99.55
  Top Layer w0.3: U19.9@121.75,78.85 U19.6@122.5,78.85 ; C58.1@125.535,86.2 125.555,86.2 125.725,86.03 125.725,85.601 125.825,85.501 v1(125.825,85.42) ; NTC1.1@125.825,120.425 125.827,120.423 126.47,120.423 v2(126.472,120.422) ; R65.1@128.425,83.8 128.425,83.825 128.55,83.95 128.706,83.95 128.726,83.969 128.763,83.969 128.836,84.042 129.031,84.042 v1(129.088,84.1) 129.169,84.1 129.319,83.95 129.387,83.95 129.44,83.897 129.553,83.897 130.141,83.309 C40.1@130.206,83.309 ; v1(129.031,87.309) U9.17@129.181,87.159 ; v1@129.181,84.274 U9.14@129.181,86.209 ; C1.1@133.8,84.325 133.9,84.425 134.274,84.425 134.549,84.7 v1(134.6,84.7) ; R20.1@135.656,85.309 135.681,85.334 v1(135.681,86.059)
  Top Layer w0.4: C39.1@127.981,92.134 127.993,92.147 129.043,92.147 v1(129.056,92.159)
  Bottom Layer w0.2: R90.1@111.85,123.828 R90.1@111.85,123.95 ; R24.1@128.216,100.947 R24.1@128.291,101.022 ; R24.1@128.391,101.122 R24.1@128.291,101.022 ; v2@129.1,101 129.078,101.022 R24.1@128.291,101.022
  Bottom Layer w0.203: v1(52.164,116.739) 52.676,116.227 C31.1@53.027,116.227 53.704,115.551 54.074,115.551 v1(54.15,115.475) ; U11.2@132.6,131.59 U11.2@133.015,131.59 ; v2(133.7,131.025) 133.682,131.025 133.118,131.59 U11.2@133.015,131.59 ; v2@133.75,132.325 U11.2@133.015,131.59 ; v2@140.75,132.55 140.75,131.75 C111.1@140.875,131.625 v2@141.675,131.625
  Bottom Layer w0.254: C114.1@35.15,87.175 35.3,87.325 v1(36.025,87.325) ; v3(41.65,80.775) 41.845,80.97 44.7,80.97 45.096,81.366 v1(45.104,81.366) ; v1(48.094,114.681) 48.138,114.681 48.597,115.141 49.724,115.141 R132.1@49.795,115.07 ; C81.1@54.205,117.145 54.243,117.145 C82.1@55.218,118.12 ; C89.1@54.723,110.973 54.76,110.973 55.625,110.108 C130.1@55.625,110.083 ; v1(54.755,109.672) 54.821,109.738 54.921,109.738 55.266,110.083 C130.1@55.625,110.083 ; C82.1@55.18,118.12 C82.1@55.218,118.12 ; C130.1@55.723,110.048 55.687,110.083 C130.1@55.625,110.083 ; v1(56.35,117.35) 55.58,118.12 C82.1@55.218,118.12 ; v1(57.65,117.896) 56.451,119.095 56.193,119.095 C82.1@55.218,118.12 ; C49.1@60.28,120.23 60.28,119.92 v1(60.8,119.4) ; v1(65.275,121.075) 65.275,121.136 65.839,121.7 C3.1@65.839,121.761 ; v1(99.25,134.575) 99.25,135.052 99.498,135.3 100.652,135.3 100.75,135.202 v1(100.75,134.575) ; v1(103.25,133.425) Q13.3@103.25,134.4 ; v1(104.825,133.375) 104.863,133.413 105.612,133.413 R31.1@105.65,133.45 ; v2(111.15,123.825) 111.725,123.825 R90.1@111.85,123.95 ; v2(111.467,113.12) 111.56,113.12 111.938,112.742 112.047,112.742 112.32,112.469 R92.1@112.32,112.369 ; v1(118.925,115.975) R17.1@119.625,115.975 ; R16.1@120.45,120.825 120.45,120.925 121.084,121.559 121.084,121.884 v1(121.15,121.95) ; v2@127.604,100.295 127.671,100.362 127.671,100.502 128.116,100.947 R24.1@128.216,100.947 ; C20.1@127.9,121.075 128.061,121.075 C20.1@128.684,120.452 ; C20.1@127.95,121.025 v2(127.95,121.725) 127.95,122.6 128.077,122.727 128.077,122.827 128.35,123.1 R22.1@128.45,123.1 ; C20.1@127.98,121.155 128.18,121.155 C20.1@128.723,121.698 ; v1@128.15,76.225 127.998,76.377 127.998,76.907 127.975,76.93 128.44,76.93 v1@128.445,76.925 ; v2(128.75,121.75) C20.1@128.75,121.772 ; v2@133.775,135.625 133.825,135.675 C110.1@134.65,135.675 134.775,135.8 v2@134.775,136.575
  Bottom Layer w0.6: C12.2@123.491,78.279 123.491,78.179 123.923,77.747 v1(123.923,77.622) ; v1(134.7,78.25) 134.704,78.246 134.704,76.45 v1(134.708,76.446) ; v1(123.923,77.622) 123.825,77.524 123.825,76.8 C13.2@123.5,76.475 123.525,76.45 v1(124.097,76.45) 124.097,77.448 v1(123.923,77.622)
  other v1: 31.925,75.275 34.875,75.275 78.575,75.725 45.45,76.075 128.15,76.15 118.025,76.75 32.422,76.85 128.44,76.855 76.2,77.225 36.275,77.398 34.475,77.425 38,77.525 97.365,77.63 98.635,77.63 112.695,77.63 61.625,77.725 79.5,77.775 33.35,77.825 64.025,77.825 50.7,77.875 38.695,78.119 50.225,79.75 121.5,80.35 119.7,80.975 96.1,81.046 86.175,81.325 70.375,81.35 116.505,81.37 137.275,81.475 111.6,81.75 117.437,82.164 63.15,82.575 147.57,82.595 142.525,83.225 102.2,83.925 72.25,83.95 64.8,84.1 114.925,84.925 94.325,85.1 100.75,85.125 39.5,86.075 120.025,86.425 22.305,86.69 42.25,86.8 109.925,86.85 129.856,87.309 145.7,87.35 22.305,87.96 39.8,88.075 129.031,88.134 134.25,88.325 54.65,88.35 86.975,88.375 85.925,88.4 148.15,88.475 44.425,89.05 118.55,89.2 26.045,89.23 137.85,89.3 54.65,90.9 42.9,91.95 98.1,92.95 44.125,93 92.25,94.85 45.675,95.65 135.125,96.525 136.75,96.525 138.65,96.525 130.75,96.625 56.8,96.825 92.25,97.2 65.925,97.65 42.725,97.85 74.575,97.875 80.55,97.925 129.581,98.13 59.175,98.3 44.7,98.375 127.65,98.4 125.675,98.45 78.075,98.475 102.825,98.525 97.4,99.1 109.375,99.55 51.05,100.25 54.05,101.2 82.775,101.85 64.075,102.15 57.3,102.35 97.45,103.2 121.65,103.3 78.075,103.35 50.925,103.675 121.625,104.05 52.75,104.65 48.725,104.875 99.9,105.175 43.175,105.725 46.425,106.4 78.075,107.025 52.004,107.235 65.025,108.475 60.775,108.825 43.975,109.25 46.875,109.95 82.85,110.175 59.85,110.775 66.875,110.775 89.95,111.15 93.15,111.275 87.525,111.875 88.375,111.875 78.075,112.2 91.275,112.325 92.225,112.325 121.125,112.775 56.25,113.275 46.525,113.4 69.7,113.425 121.125,113.575 51.675,114.325 57.2,114.5 59.2,116.175 85.984,116.294 73.675,117.85 85.55,118.1 115.61,118.197 114.203,118.828 116.997,118.828 87.25,118.875 46.727,119.203 87.25,120.075 113.568,120.225 117.632,120.225 55.325,121.2 87.25,121.275 114.203,121.622 116.997,121.622 85.55,122.05 37.75,122.1 115.6,122.257 121.15,122.75 50.425,125.375 25.55,126.275 36.3,127.475 78.1,129 74.875,129.05 25.55,130.65 25.525,133.2 71,133.725 75.575,133.8 67.725,134.925 74.8,135.2 77.225,135.2 67.45,136.175 79.6,136.725
  other v2: 127.634,100.297 129.134,100.997 115.925,112.7 116.25,114.15 111.9,114.775 112.975,114.775 114.05,114.775 122.05,115.525 122.85,115.525 116.277,115.734 122.05,116.8 122.85,116.8 122.05,118.15 122.85,118.15 122,119.6 122.8,119.6 115.626,124.075 121.15,124.675 121.15,125.95 111.55,126.5 112.625,126.5 113.7,126.5 115.632,126.89 121.15,126.9 141.677,131.641 133.702,132.241 140.777,132.541 133.827,135.691 134.777,136.566
  other v3: 39.45,80.775 40.55,80.775 39.45,81.875 40.55,81.875 41.65,81.875 39.45,82.975 40.55,82.975 41.65,82.975 85.875,89.95 85.875,91.05 86.975,91.05
HRTIM1_CHA1: R14.1 R95.1 U1.89 | length 81.2
  Top Layer w0.203: R95.1@56.59,102.123 56.59,102.674 56.59,102.935 v3(56.575,102.95) 56.575,103.226 56.575,103.823 U1.89@59.748,106.996
  Top Layer w0.254: v3@56.575,103.226 ccw(c56.575,102.95) 56.59,102.674 ccw(c56.575,102.95) 56.851,102.95 ccw(c56.575,102.95) v3@56.575,103.226
  Bottom Layer w0.203: v3(56.575,102.95) 56.575,100.95 57.8,99.725 105.65,99.725 106.3,100.375 126.044,100.375 126.691,101.022 R14.1@126.791,101.022
HRTIM1_CHA2: R55.1 U1.90 | length 72.5
  Top Layer w0.203: v3(57.625,103.3) 57.625,103.575 57.625,104.308 U1.90@60.03,106.713
  Top Layer w0.254: v3@57.625,103.575 ccw(c57.625,103.3) 57.9,103.3 ccw(c57.625,103.3) v3@57.625,103.575
  Bottom Layer w0.229: v3(57.625,103.3) 57.625,103.23 57.925,102.93 57.925,100.7 58.394,100.231 96.406,100.231 97.192,101.017 104.467,101.017 110.425,106.975 110.425,112.95 111.2,113.725 R55.1@112.32,113.725
HRTIM1_CHB1: R49.1 U1.91 | length 90.8
  Top Layer w0.203: v3(58.825,103.8) 58.825,104.1 58.825,104.942 U1.91@60.313,106.43
  Top Layer w0.254: 58.825,104.1 ccw(c58.825,103.8) 59.125,103.8 ccw(c58.825,103.8) 58.825,104.1
  Bottom Layer w0.203: v3(58.825,103.8) 58.825,102.496 58.55,102.221 58.55,101.225 59.025,100.75 96.1,100.75 98.7,103.35 103.7,103.35 108.65,108.3 108.65,114.625 111.35,117.325 119.125,117.325 120.725,118.925 125.1,118.925 125.525,119.35 125.525,120.45 126.3,121.225 126.3,121.504 127.05,122.254 R49.1@127.05,123.1
HRTIM1_CHB2: R51.1 U1.92 | length 76.7
  Top Layer w0.203: v3(60,104.075) 59.925,104.075 59.4,104.6 59.4,104.951 U1.92@60.596,106.147
  Top Layer w0.254: v3@60.275,104.075 ccw(c60,104.075) v3@60.275,104.075
  Bottom Layer w0.203: v3(60,104.075) 60.054,104.021 60.054,101.553 60.407,101.2 94.375,101.2 97.1,103.925 103.25,103.925 108.05,108.725 108.05,121.625 111.825,125.4 R51.1@111.825,125.5
HRTIM1_CHE1: P2.5 U1.87 | length 46.4
  Top Layer w0.203: P2.5@29.109,112.575 39.8,112.575 43.725,108.65 43.975,108.65 v1(44.433,108.192) ; v3(44.7,99.325) 44.7,99.4 v3@44.775,99.325 ; 44.956,99.144 v3@44.775,99.325 ; U1.87@59.182,107.562 50.945,99.325 v3@44.775,99.325
  Top Layer w0.254: 44.956,99.144 cw(c44.7,99.325) 45.014,99.325
  Bottom Layer w0.203: v1(44.433,108.192) 44.483,108.142 44.483,106.292 44.977,105.798 44.977,100.299 44.7,100.022 v3(44.7,99.325)
HRTIM1_CHE2: R83.1 R117.2 R130.1 TP31.1 U1.88 | length 90.6
  Top Layer w0.2: R83.1@54.825,101.875 54.925,101.875 55.175,102.125 55.175,102.3 v3@55.525,102.65 ; v3@55.525,102.459 v3@55.525,102.65 ; v1(60.347,108.075) 60.269,108.075 59.473,107.279 U1.88@59.465,107.279 55.511,103.325 55.511,102.994 55.511,102.786 v3(55.45,102.725) v3@55.525,102.65 ; v1(103.325,84.575) 103.702,84.575 104.13,85.003 113.297,85.003 113.925,84.375 R117.2@114.025,84.375 R117.2@114.125,84.375
  Top Layer w0.254: v3@55.345,102.47 cw(c55.45,102.725) 55.511,102.994 cw(c55.45,102.725) 55.726,102.725 cw(c55.45,102.725) 55.525,102.459 cw(c55.45,102.725) v3@55.345,102.47
  Bottom Layer w0.2: v3(55.45,102.725) 55.45,92.5 65.45,82.5 98.5,82.5 100.547,84.547 100.989,84.547 101.017,84.575 v1(103.325,84.575) ; R130.1@59.055,112.705 59.126,112.634 59.126,112.281 59.055,112.21 59.055,112.115 58.704,111.764 58.704,110.23 58.7,110.226 58.7,109.625 60.347,107.978 v1(60.347,108.075)
HRTIM1_CHF1: TP1.1 U1.80 U17.2 | length 36
  Top Layer w0.203: U17.2@30.2,91.825 31.375,91.825 32.225,92.675 36.225,92.675 41.175,97.625 42.075,98.525 44.85,101.3 51.839,101.3 56.43,105.892 56.43,108.77 U1.80@57.202,109.542
HRTIM1_CHF2: CONN_BOTT.9 TP2.1 U1.81 | length 47.5
  Top Layer w0.2: v1(50.25,100.35) 50.75,100.85 51.925,100.85 56.987,105.912 56.987,108.41 56.987,108.753 57.485,109.251 U1.81@57.485,109.259 ; TP2.1@64.7,75.775 64.7,76 65.295,76.595 CONN_BOTT.9@65.295,77.63
  Bottom Layer w0.2: v1(50.25,100.35) 50.25,89.925 55.325,84.85 59.275,84.85 61.45,82.675 61.45,79.35 63.575,77.225 64.895,77.225 v1(65.3,77.63)
I2C3_SCL: U1.10
I2C3_SDA: U1.11
I_LLC: R80.1 U11.5 | length 81.9
  Top Layer w0.203: R80.1@63.036,130.384 63.036,131.761 66.8,135.525 v1(68.425,135.525)
  Bottom Layer w0.203: v1(68.425,135.525) 69.8,136.9 78.55,136.9 80.15,138.5 135.275,138.5 138,135.775 U11.5@138,134.13
isoGND: C76.1 C78.1 C79.1 C90.1 C91.2 D6.3 D10.2 J2.4 U14.2 U15.5 | length 15.6
  Top Layer w0.254: C78.1@22.968,99.871 22.975,99.864 v1@22.975,99.09 ; v1(22.975,99.15) v1@22.975,99.09 ; C79.1@26.818,101.296 26.896,101.375 27.462,101.375 27.587,101.25 27.577,101.24 27.577,99.699 U14.2@27.58,99.696 ; v1(27.575,101.375) 28.264,101.375 C76.1@28.343,101.296 ; U14.2@27.58,97.396 27.324,97.652 27.199,97.652 24.366,97.652 23.647,98.371 22.703,98.371 D10.2@22.528,98.546 22.528,98.646 22.971,99.09 v1@22.975,99.09 ; v1(29.5,107.4) 29.918,106.982 30.9,106.982 U15.5@30.943,106.939 30.95,106.947 v1(30.95,107.75) ; v1(30.025,99.925) 30.989,99.925 C90.1@30.993,99.921
  Bottom Layer w0.254: v1(27.15,104.9) 27.15,104.958 26.886,105.222 26.886,105.432 27.15,105.696 ; 28.595,105.637 28.748,105.485 28.748,104.895 v1(28.796,104.846)
  other v1: 27.6,96.6 27.6,97.4 23,97.625 27.6,98.2 31,98.825 30.025,102.3 24.45,102.5 25.951,104.855 23.95,104.9 24.95,104.9
isoV_5: C76.2 C90.2 U14.1 U15.8 | length 4.8
  Top Layer w0.254: U14.1@29.08,99.896 29.203,100.019 29.203,100.756 29.693,101.246 C76.2@29.693,101.296 ; C76.2@29.789,101.2 30.921,101.2 C90.2@30.993,101.271 30.95,101.314 30.95,103.122 U15.8@30.943,103.129
isoV_EXT: C78.2 FB5.1 J2.1 | length 2.8
  Top Layer w0.254: J2.1@22.993,102.646 23,102.639 23,101.254 C78.2@22.968,101.221 22.971,101.225 24.196,101.225 FB5.1@24.293,101.321
Net3V3D_1: 3V3D.1 R157.1 | length 1.7
  Top Layer w0.254: 3V3D.1@25.61,122.55 27.25,122.55 R157.1@27.325,122.475